# Altium PCB CoinCraftA1.PcbDoc (part 5 of 7) (continued)
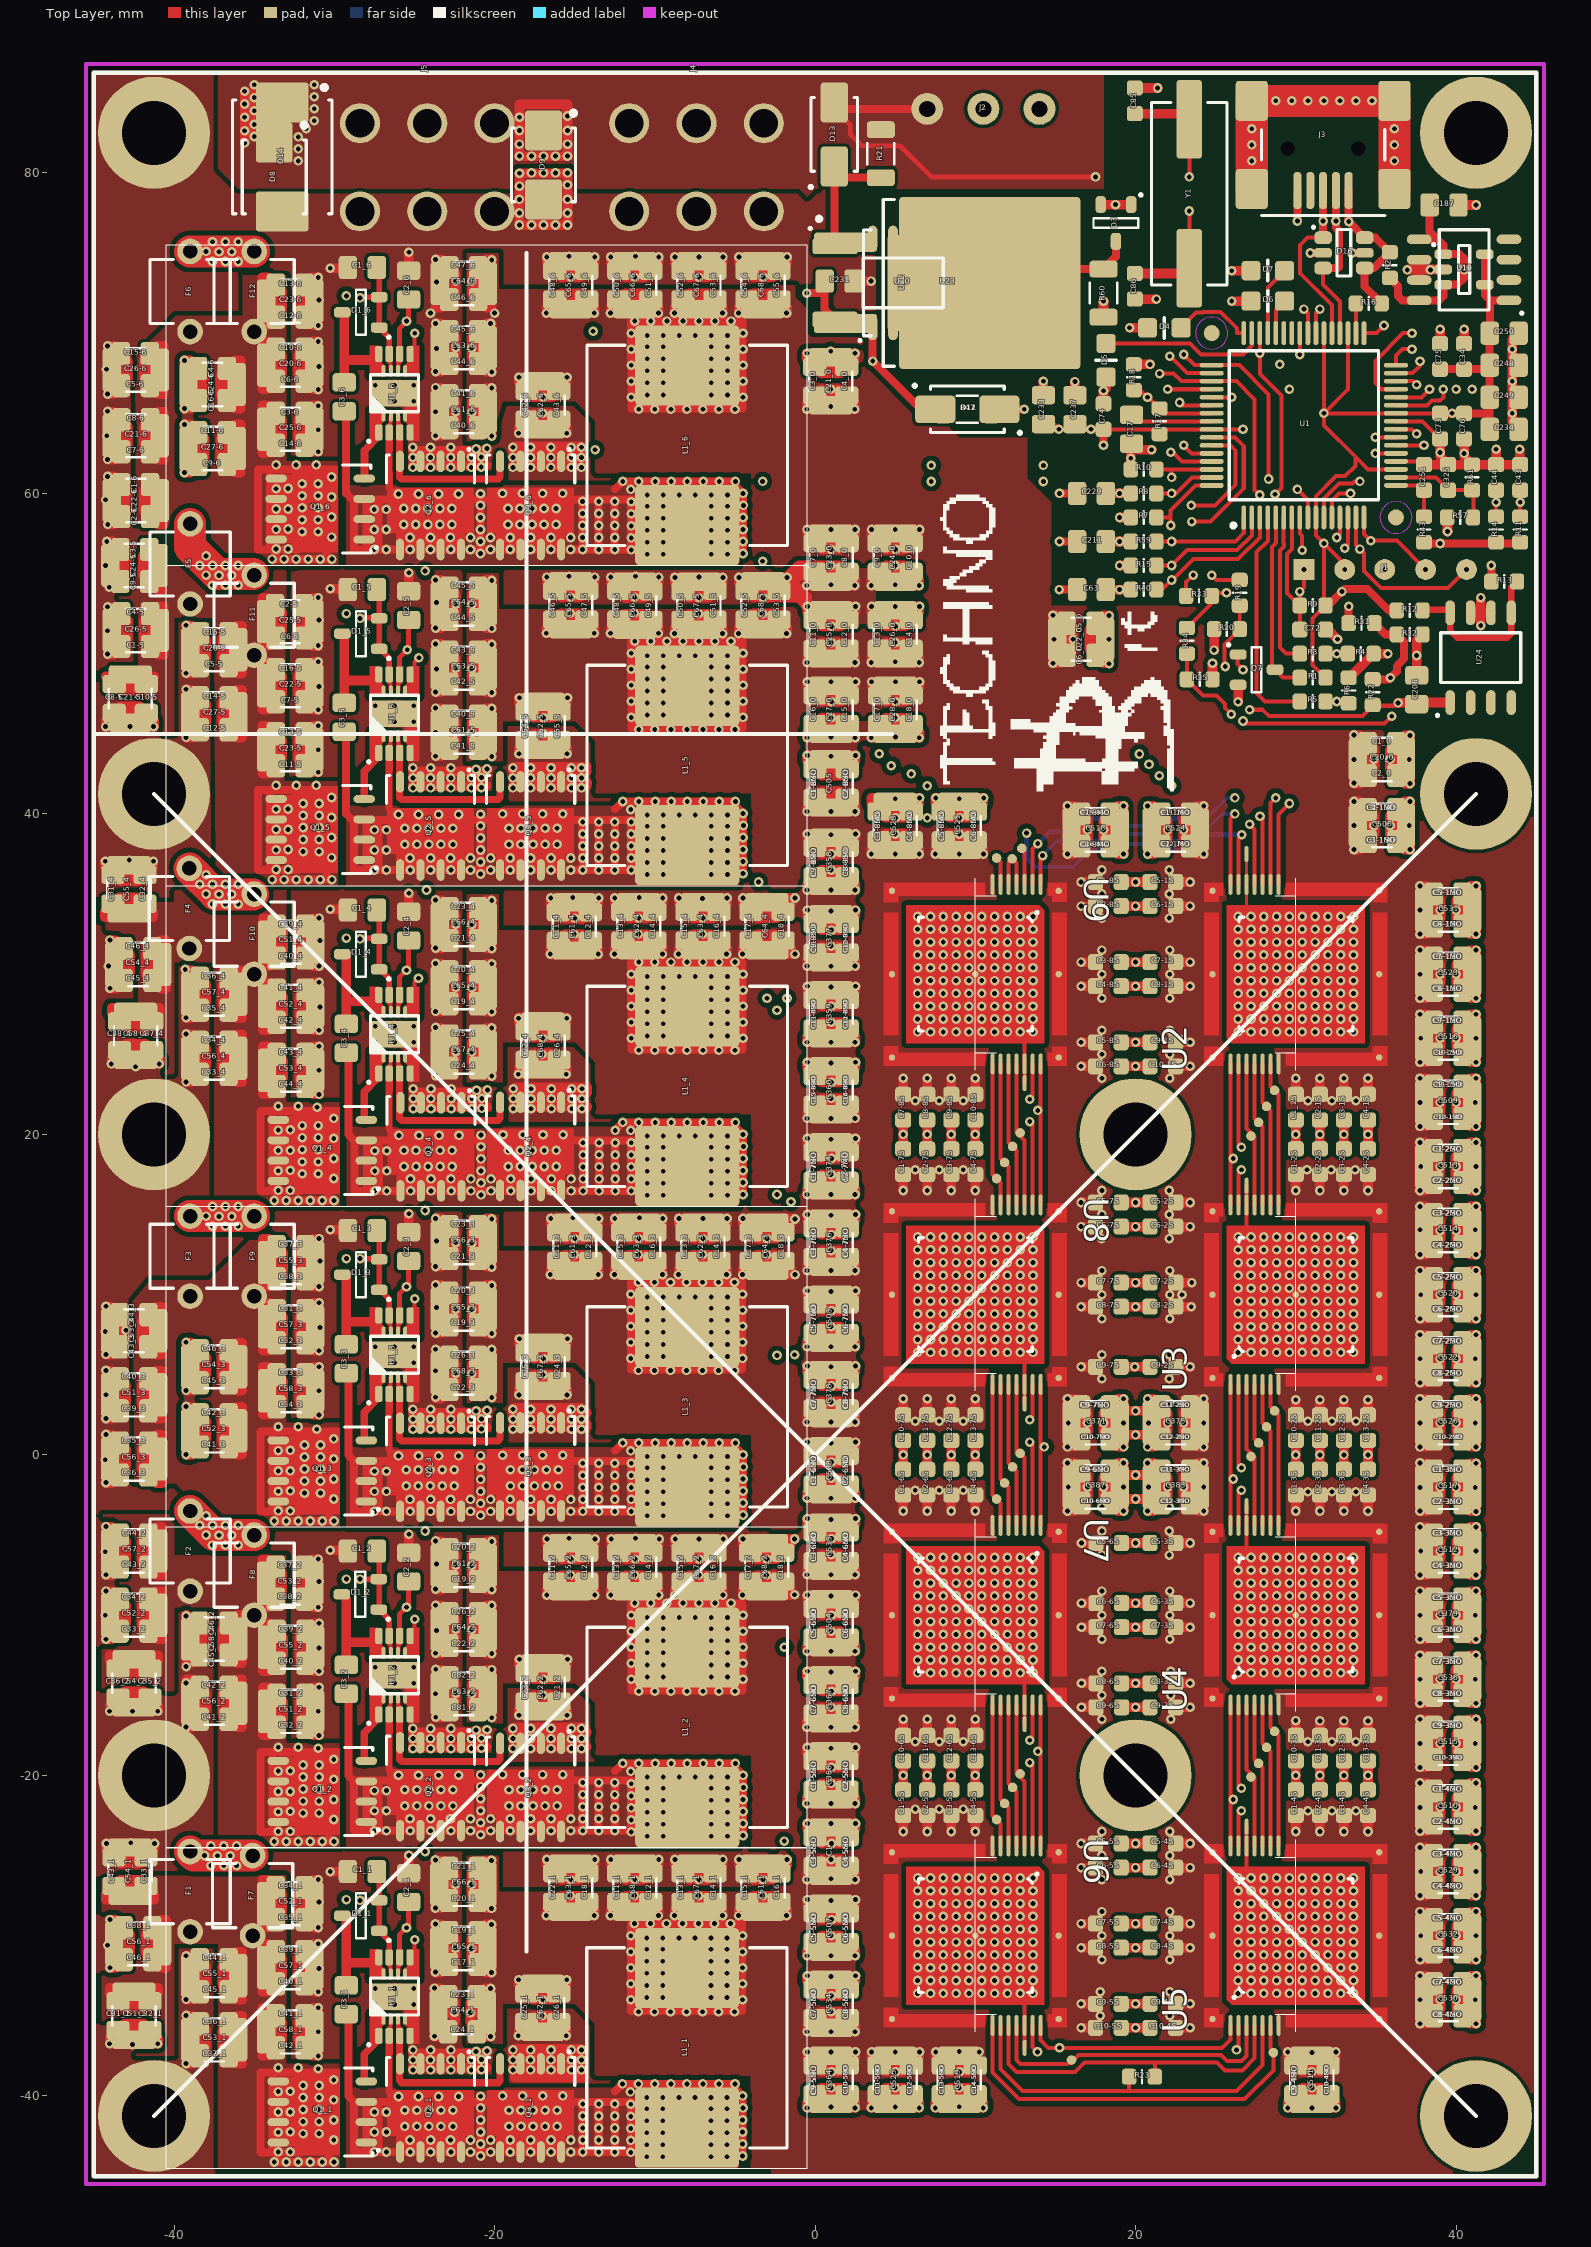
[diagram p0: Top Layer view]
## Nets (pads, with @x,y where several pads share a name; then routed paths per layer and width w, separated by ;. In a path a pad name is that pad's centre, name@x,y a point inside that pad or via, vN(x,y) a via of type N, cw(c..) or ccw(c..) an arc to the next point about the centre after c; other vN are vias at no path point) (continued)
  Top Layer w0.6: C24-5.2@-44.2,54.5 v1(-44.2,57) -43.85,57 -42.95,56.1 -42.95,55.5 ; C52_2.2@-44,-10 -43,-10 ; C57_2.2@-44,-6 -43,-6 ; C56_3.2@-44,-0.25 -43,-0.25 ; C51_3.2@-44,3.75 -43,3.75 ; C53_3.2@-44,7.75 v1@-43,7.75 ; C24-5.2@-43.95,55.5 -42.95,55.5 ; C26-5.2@-43.9,51.45 -42.9,51.45 ; C22-6.2@-43.9,59.554 -42.9,59.554 ; C21-6.2@-43.9,63.6 -42.9,63.6 ; C56_1.2@-43.75,-30.5 -42.75,-30.5 ; C54_4.2@-43.75,30.6 -42.75,30.6 ; C9-5.2@-42.95,54.9 -42.95,55.5 ; C55_4.2@-42.815,36.8 -42.815,35.8 ; C54_1.2@-42.75,-24.5 -42.75,-25.5 ; C21-5.2@-42.75,45.7 -42.75,46.7 ; C51_1.2@-42.5,-36.5 -42.5,-35.5 ; C54_2.2@-42.5,-15.75 -42.5,-14.75 ; C58_4.2@-42.4,24.65 -42.4,25.65 ; v1@-39.25,-9.987 -39.25,-12.987 -38.9,-12.987 -38,-12.087 -38,-11.487 ; C27-6.2@-39.1,62.8 -38.1,62.8 ; C24-6.2@-39.1,66.8 -38.1,66.8 ; C53_1.2@-39,-36.5 -38,-36.5 ; C55_1.2@-39,-32.5 -38,-32.5 ; C56_2.2@-39,-15.5 -38,-15.5 ; C58_2.2@-39,-11.487 -38,-11.487 ; C52_3.2@-39,1.5 -38,1.5 ; C54_3.2@-39,5.5 -38,5.5 ; C56_4.2@-39,24.75 -38,24.75 ; C57_4.2@-39,28.75 -38,28.75 ; C27-5.2@-39,46.25 -38,46.25 ; C20-5.2@-39,50.25 -38,50.25 ; C46_2.2@-38,-10.887 -38,-11.487 ; C58_1.2@-31.25,-36 -32.25,-36 ; C57_1.2@-31.25,-32 -32.25,-32 ; C52_1.2@-31.25,-28 -32.25,-28 ; C53_2.2@-31.25,-8 -32.25,-8 ; C23-5.2@-31.25,44 -32.25,44 ; C22-5.2@-31.25,48 -32.25,48 ; C25-5.2@-31.25,51.975 -32.25,51.975 ; C25-6.2@-31.25,64 -32.25,64 ; C20-6.2@-31.25,68 -32.25,68 ; C23-6.2@-31.25,72 -32.25,72 ; C51_2.2@-31.2,-16 -32.2,-16 ; C55_2.2@-31.2,-12 -32.2,-12 ; C58_3.2@-31.2,4 -32.2,4 ; C57_3.2@-31.2,8 -32.2,8 ; C55_3.2@-31.2,12 -32.2,12 ; C53_4.2@-31.2,24 -32.2,24 ; C52_4.2@-31.2,28 -32.2,28 ; C51_4.2@-31.2,32 -32.2,32 ; v1(-30.25,-26) C1_1.1@-29.15,-26 ; v1(-30.25,-5.95) C1_2.1@-29.15,-5.95 ; v1(-30.25,14.05) C1_3.1@-29.15,14.05 ; v1(-30.25,34.05) C1_4.1@-29.15,34.05 ; v1(-30.25,54.05) C1_5.1@-29.15,54.05 ; v1(-30.25,74.05) C1_6.1@-29.15,74.05 ; C2_1.2@-25.362,-26.1 -25.35,-26.088 v1(-25.35,-25) ; C2_2.2@-25.35,-6.038 v1(-25.35,-4.95) ; C2_3.2@-25.35,13.962 v1(-25.35,15.05) ; C2_4.2@-25.35,33.962 v1(-25.35,35.05) ; C2_5.2@-25.35,53.962 v1(-25.35,55.05) ; C2_6.2@-25.35,73.962 v1(-25.35,75.05) ; v1@-25.105,62.825 -25.105,62.662 -25.098,62.655 v1@-20.505,62.655 ; v1@-25.1,-37.175 -25.1,-37.338 -25.093,-37.345 v1@-20.5,-37.345 ; v1@-25.1,-17.125 -25.1,-17.288 -25.093,-17.295 v1@-20.5,-17.295 ; v1@-25.1,2.8 -25.1,2.637 -25.093,2.63 v1@-20.5,2.63 ; v1@-25.1,42.825 -25.1,42.662 -25.093,42.655 v1@-20.5,42.655 ; v1@-25.098,61.75 -20.505,61.75 ; v1@-25.093,-38.25 -20.5,-38.25 ; v1@-25.093,-18.2 -20.5,-18.2 ; v1@-25.093,1.725 -20.5,1.725 ; v1@-25.093,41.75 -20.5,41.75 ; v1@-25.075,22.8 -25.075,22.637 -25.068,22.63 v1@-20.475,22.63 ; v1@-25.068,21.725 -20.475,21.725 ; C64_1.2@-23.5,-34.8 v1@-22.5,-34.8 ; C65_1.2@-23.444,-30.8 v1@-22.444,-30.8 ; C66_1.2@-23.444,-26.8 v1@-22.444,-26.8 ; C61_2.2@-23.429,-6.9 v1@-22.429,-6.9 ; C68_3.2@-23.429,5 v1@-22.429,5 ; C65_3.2@-23.429,9.1 v1(-22.429,9.1) ; C66_3.2@-23.429,13.25 v1(-22.429,13.25) ; C67_4.2@-23.429,25.148 v1@-22.429,25.148 ; C65_4.2@-23.429,29.15 v1@-22.429,29.15 ; C66_4.2@-23.429,33.1 v1@-22.429,33.1 ; C64_5.2@-23.429,53.1 v1(-22.429,53.1) ; C61_6.2@-23.429,65.1 v1(-22.429,65.1) ; C63_6.2@-23.429,69.1 v1(-22.429,69.1) ; C64_6.2@-23.429,73.1 v1@-22.429,73.1 ; C64_2.2@-23.428,-10.9 v1@-22.428,-10.9 ; C61_5.2@-23.428,45.1 v1(-22.428,45.1) ; C63_5.2@-23.428,49.1 v1(-22.428,49.1) ; C63_2.2@-23.425,-14.9 v1@-22.425,-14.9 ; v1@-18.86,62.825 -18.86,62.662 -18.853,62.655 v1@-14.625,62.655 ; v1@-18.855,-17.125 -18.855,-17.288 -18.848,-17.295 -14.255,-17.295 ; v1@-18.855,2.8 -18.855,2.637 -18.848,2.63 -14.255,2.63 ; v1@-18.855,42.825 -18.855,42.662 -18.848,42.655 -14.255,42.655 ; v1@-18.855,-37.175 -18.855,-37.338 -18.848,-37.345 v1@-14.5,-37.345 ; v1@-18.853,61.75 -14.66,61.75 -14.46,61.95 -18.755,61.95 ; v1@-18.848,-38.25 v1@-14.75,-38.25 ; v1@-18.848,-18.2 -14.255,-18.2 ; v1@-18.848,1.725 -14.255,1.725 ; v1@-18.848,41.75 -14.255,41.75 ; v1@-18.83,22.8 -18.83,22.637 -18.823,22.63 -14.23,22.63 ; v1@-18.823,21.725 -14.23,21.725 ; v1@-18.755,62.95 v1@-14.58,62.95 ; -18.75,-38.85 -14.5,-38.85 ; -18.75,-38.05 -14.5,-38.05 ; v1@-18.75,-37.05 v1@-14.575,-37.05 ; -18.75,-18 -14.375,-18 ; v1@-18.75,-17 v1@-14.375,-17 ; -18.75,1.925 -14.255,1.925 ; v1@-18.75,2.925 v1@-14.575,2.925 ; -18.75,41.95 -14.225,41.95 ; v1@-18.75,42.95 -14.255,42.95 ; -18.725,21.925 -14.375,21.925 ; v1@-18.725,22.925 -14.23,22.925 ; v1@-18.448,78.375 v1(-18.448,79.975) -15.449,79.975 v1(-15.449,76.75) v1(-18.449,76.75) v1(-18.449,78.35) D9.2@-16.949,78.35 ; C62_1.2@-17,-36 v1@-17,-35 ; C68_4.2@-17,24.05 v1@-17,25.05 ; C62_6.2@-17,64 v1(-17,65) ; C62_5.2@-16.975,44 v1(-16.975,45) ; C62_2.2@-16.974,-16 v1@-16.974,-15 ; C67_3.2@-16.974,3.998 v1(-16.974,4.998) ; C63_1.2@-15.25,-25.5 v1(-15.25,-26.5) ; C65_2.2@-15.25,-5.5 v1@-15.251,-6.5 ; C65_5.2@-15.25,54.525 v1(-15.25,53.525) ; C65_6.2@-15.25,74.5 v1(-15.25,73.5) ; C61_4.2@-15.025,34.475 v1@-15.025,33.475 ; C61_3.2@-15,14.5 v1(-15,13.5) ; C68_1.2@-11.25,-25.5 v1(-11.25,-26.5) ; C66_2.2@-11.25,-5.5 v1@-11.25,-6.5 ; C66_5.2@-11.25,54.5 v1@-11.25,53.5 ; C66_6.2@-11.25,74.5 v1(-11.25,73.5) ; C63_3.2@-11,14.5 v1(-11,13.5) ; C62_4.2@-11,34.5 v1(-11,33.5) ; C67_1.2@-7.25,-25.5 v1(-7.25,-26.5) ; C67_2.2@-7.25,-5.5 v1@-7.25,-6.5 ; C67_5.2@-7.25,54.5 v1(-7.25,53.5) ; C67_6.2@-7.25,74.5 v1(-7.25,73.5) ; C62_3.2@-7,14.5 v1(-7,13.5) ; C63_4.2@-7,34.5 v1(-7,33.5) ; C61_1.2@-3.25,-25.5 v1(-3.25,-26.5) ; v1(-3.25,53.5) -1.05,53.5 v1@-0.5,52.95 ; C68_5.2@-3.25,54.525 v1@-3.25,53.525 ; C68_6.2@-3.25,74.5 v1(-3.25,73.5) ; C68_2.2@-3.025,-5.5 v1@-3.025,-6.5 ; C64_3.2@-3,14.5 v1(-3,13.5) ; C64_4.2@-3,34.5 -3,33.5 ; v1(-0.525,54.25) -0.85,53.925 -0.883,53.925 ; v1(0.975,55.5) C7_0.2@-0.35,55.5 ; C21_0.2@0.975,68.5 0.975,67.5 ; C366.2@0.999,-21.5 v1(0.999,-20.5) ; C367.2@0.999,-13.75 v1@0.999,-14.75 ; C364.2@1,-40.5 v1(1,-39.5) ; C534.2@1,-32.75 v1@1,-33.75 ; C507.2@1,-31 v1(1,-30) ; C1.2@1,-23.25 v1@1,-24.25 ; C504.2@1,-12 v1(1,-11) ; C533.2@1,-4.225 v1@1,-5.225 ; C508.2@1,-2.45 v1(1,-1.45) ; C378.2@1,5.3 v1@1,4.3 ; C503.2@1,7 v1(1,8) ; C376.2@1,14.75 v1@1,13.75 ; C374.2@1,16.5 v1(1,17.5) ; C360.2@1,24.25 v1@1,23.25 ; C359.2@1,26 v1(1,27) ; C377.2@1,33.75 v1@1,32.75 ; C358.2@1,35.5 v1(1,36.5) ; C505.2@1,43.4 1,42.4 ; C27_0.2@1,45 v1(1,46) ; C25_0.2@1,52.7 v1@1,51.7 ; C23_0.2@1,54.5 v1@1,55.5 ; C231.2@2.4,73.25 v1(3.499,73.25) ; C525.2@5,-40.5 v1(5,-39.5) ; C528.2@5,40.75 v1@5,39.75 ; C26_0.2@5,52.7 v1@5,51.7 ; C24_0.2@5,54.5 v1(5,55.5) ; C28_0.2@5.025,45 v1@5.025,46 ; C1-5S.2@5.5,-20.9 v1(5.5,-20) C10-6S.2@5.5,-19.1 ; C1-6S.2@5.5,-0.9 v1(5.5,0) C10-7S.2@5.5,0.9 ; C1-7S.2@5.5,19.1 v1(5.5,20) C7-8S.2@5.5,20.9 ; C2-5S.2@7,-20.9 v1(7,-20) C11-6S.2@7,-19.1 ; C2-6S.2@6.999,-0.9 v1(7,0) C11-7S.2@7,0.9 ; C2-7S.2@7,19.1 v1(7,20) C8-8S.2@7,20.9 ; C3-5S.2@8.5,-20.9 v1(8.5,-20) C12-6S.2@8.5,-19.1 ; C3-6S.2@8.5,-0.9 v1(8.5,0) C12-7S.2@8.5,0.9 ; C3-7S.2@8.5,19.1 v1(8.5,20) C9-8S.2@8.5,20.9 ; C519.2@9,-40.5 v1(8.999,-39.5) ; C521.2@9.001,40.75 v1@9.001,39.75 ; C4-5S.2@10,-20.9 C13-6S.2@10,-19.1 ; C4-6S.2@10,-0.9 C13-7S.2@10,0.9 ; C4-7S.2@10,19.1 C10-8S.2@10,20.9 ; C233.2@14.25,66.15 v1(14.25,67) ; C237.2@16.215,66.125 v1(16.215,66.975) ; D3.2@17.825,78.025 v1(18.75,78.025) D3.1@19.725,78.025 ; C74.2@18,65.6 v1(18,66.408) 18.155,66.563 D5.1@18.155,67.258 ; R60.1@18,71 v1(18,72) ; C22_0.2@18.1,50.9 17.1,50.9 ; C63.2@18.135,54 C63.2@18.15,54 v1(19,54) R40.1@19.7,54 ; C211.2@18.15,57 v1(19,57) R59.1@19.7,57 ; C229.2@18.15,60 v1(19,60) R8.2@19.7,60 ; C387.2@19,-2 v1(18,-2) ; C371.2@19,2 v1(18,2) ; C518.2@19,39 v1(18,39) ; v1(19,55.5) R15.1@19.7,55.5 ; v1(19,58.5) R7.2@19.7,58.5 ; C10-5S.2@19.1,-35.75 v1(20,-35.75) C10-4S.2@20.9,-35.75 ; C9-5S.2@19.1,-34.25 v1(20,-34.25) ; C8-5S.2@19.1,-30.75 v1(20,-30.75) C8-4S.2@20.9,-30.75 ; C7-5S.2@19.1,-29.25 v1(20,-29.25) ; C6-5S.2@19.1,-25.75 v1(20,-25.75) C6-4S.2@20.9,-25.75 ; C5-5S.2@19.1,-24.25 v1(20,-24.25) C5-4S.2@20.9,-24.25 ; C9-6S.2@19.1,-15.75 v1(20,-15.75) C9-3S.2@20.9,-15.75 ; C8-6S.2@19.1,-14.25 v1(20,-14.25) ; C7-6S.2@19.1,-10.75 v1(20,-10.75) C7-3S.2@20.9,-10.75 ; C6-6S.2@19.1,-9.25 v1(20,-9.25) ; C5-6S.2@19.1,-5.5 v1(20,-5.5) C5-3S.2@20.9,-5.5 ; C387.2@19.1,-2.75 v1(20,-2.75) C383.2@20.9,-2.75 ; C387.2@19.1,-1.25 v1(20,-1.25) C383.2@20.9,-1.25 ; C371.2@19.1,1.25 v1(20,1.25) C375.2@20.9,1.25 ; C371.2@19.1,2.75 v1(20,2.75) C375.2@20.9,2.75 ; C8-7S.2@19.1,9.25 v1(20,9.25) C8-2S.2@20.9,9.25 ; C7-7S.2@19.1,10.75 v1(20,10.75) ; C6-7S.2@19.1,14.25 v1(20,14.25) C6-2S.2@20.9,14.25 ; C5-7S.2@19.1,15.75 v1(20,15.75) ; C6-8S.2@19.1,24.25 v1(20,24.25) C10-1S.2@20.9,24.25 ; C5-8S.2@19.1,25.75 v1(20,25.75) ; C4-8S.2@19.1,29.25 v1(20,29.25) C8-1S.2@20.9,29.25 ; C3-8S.2@19.1,30.75 v1(20,30.75) ; C2-8S.2@19.1,34.25 v1(20,34.25) C6-1S.2@20.9,34.25 ; C1-8S.2@19.1,35.75 v1(20,35.75) C5-1S.2@20.9,35.75 ; C9-7S.2@19.1,5.5 v1(19.95,5.5) C9-2S.2@20.9,5.5 ; v1(19.625,70.335) D4.1@20.742,70.335 ; R10.2@19.7,61.5 v1(19.7,62.2) 19.7,63.05 C17.2@19.75,63.1 20.125,62.725 v1(21,62.725) ; R18.1@19.892,68.05 v1(20.9,68.05) ; C86.2@19.892,72.067 C86.2@19.95,72.126 v1(21.3,72.126) ; C85.2@19.95,85.3 v1(21.375,85.3) ; v1@20.1,-34.25 C9-4S.2@20.9,-34.25 ; v1@20.1,-29.25 C7-4S.2@20.9,-29.25 ; v1@20.1,-14.25 C8-3S.2@20.9,-14.25 ; v1@20.1,-9.25 C6-3S.2@20.9,-9.25 ; v1@20.1,10.75 C7-2S.2@20.9,10.75 ; v1@20.1,15.75 C5-2S.2@20.9,15.75 ; v1@20.1,25.75 C9-1S.2@20.9,25.75 ; v1@20.1,30.75 C7-1S.2@20.9,30.75 ; C383.2@21,-2 v1(22,-2) ; C375.2@21,2 v1(22,2) ; C524.2@21,39.001 v1(22,39.001) ; R35.2@24.8,48.4 v1(24.8,49.4) ; v1(24.9,50.219) R20.1@24.9,51.525 ; v1(26,72) D6.1@27.2,72 ; v1(26,73.9) D7.1@27.2,73.9 ; v1(26.4,47) Q7.2@26.4,48.05 ; C1-4S.2@30,-20.9 v1(30,-20) C10-3S.2@30,-19.1 ; C1-3S.2@30,-0.9 C10-2S.2@30,0.9 ; C1-2S.2@30,19.1 C1_1S.2@30,20.9 ; C511.2@31,-40.5 v1(31,-39.5) ; C2-4S.2@31.5,-20.9 v1(31.5,-20) C11-3S.2@31.5,-19.1 ; C2-3S.2@31.5,-0.9 v1(31.5,0) C11-2S.2@31.5,0.9 ; C2-2S.2@31.5,19.1 v1(31.5,20) C2-1S.2@31.5,20.9 ; C72.2@31.85,51.5 32,51.5 v1(32.6,50.9) ; C3-4S.2@33,-20.9 v1(33,-20) C12-3S.2@33,-19.1 ; C3-3S.2@33,-0.9 v1(33,0) C12-2S.2@33,0.9 ; C3-2S.2@33,19.1 v1(33,20) C3-1S.2@33,20.9 ; R6.1@33.3,48.5 33.35,48.5 R4.1@34.85,50 v1(35.746,50) ; C4-4S.2@34.5,-20.9 v1(34.5,-20) C13-3S.2@34.5,-19.1 ; C4-3S.2@34.5,-0.9 v1(34.5,0) C13-2S.2@34.5,0.9 ; C4-2S.2@34.5,19.1 v1(34.5,20) C4-1S.2@34.5,20.9 ; J3.9@35.9,78.75 J3.9@36.15,79 ; C506.2@36.876,39.275 v1(35.876,39.275) ; C20_0.2@36.878,43.4 v1(35.878,43.4) ; v1(36.95,73.95) 36.975,73.975 37.7,73.975 ; C206.1@37.538,48.65 v1(37.538,49.887) 37.538,50.838 R32.2@37.9,51.2 ; U19.7@37.7,73.315 37.7,73.975 ; U19.6@37.7,74.585 37.7,73.975 ; C251.2@38,61.8 C325.2@39.5,61.8 ; C75.2@38.999,69.35 39,69.351 v1(39,70.25) ; C73.2@39,63.4 v1(39,62.55) 39,62.3 C325.2@39.5,61.8 ; U18.2@39.2,73.975 37.7,73.975 ; C187.2@40.15,78 v1(41.25,78) ; C8-4MO.2@40.4,-35 C530.2@41.3,-35 ; C7-4MO.2@40.4,-33 C530.2@41.3,-33 ; C6-4MO.2@40.4,-31 C532.2@41.3,-31 ; C5-4MO.2@40.4,-29 C532.2@41.3,-29 ; C4-4MO.2@40.4,-27 C529.2@41.3,-27 ; C3-4MO.2@40.4,-25 C529.2@41.3,-25 ; C8-3MO.2@40.4,-15 C536.2@41.3,-15 ; C7-3MO.2@40.4,-13 C536.2@41.3,-13 ; C6-3MO.2@40.4,-11 C379.2@41.3,-11 ; C5-3MO.2@40.4,-9 C379.2@41.3,-9 ; C4-3MO.2@40.4,-7 C512.2@41.3,-7 ; C3-3MO.2@40.4,-5 C512.2@41.3,-5 ; C34.2@40.498,69.35 40.5,69.352 v1(40.5,70.25) ; C76.2@40.5,63.4 v1(40.5,62.5) 40.5,62.298 R61.1@40.998,61.8 ; U24.7@40.903,52.55 41.538,52.55 ; C536.2@40.966,-14 v1@39.966,-14 ; C513.2@40.966,18 v1@39.966,18 ; C530.2@41,-34 v1(40,-34) ; C532.2@41,-30 v1(40,-30) ; C529.2@41,-26 v1(40,-26) ; C510.2@41,-21.975 v1(40,-21.975) ; C515.2@41,-18 v1(40,-18) ; C379.2@41,-10 v1(40,-10) ; C512.2@41,-6 v1(40,-6) ; C517.2@41,-2.025 v1(40,-2.025) ; C526.2@41,2 v1(40,2) ; C522.2@41,6 v1(40,6) ; C520.2@41,10 v1(40,10) ; C514.2@41,14 v1(40,14) ; C509.2@41,22 v1(40,22) ; C516.2@41,26 v1(40,26) ; C523.2@41,30 v1(40,30) ; C531.2@41,34 v1(40,34) ; v1@41.538,51.85 41.538,52.55 ; v1(41.538,53.5) 41.538,52.55 ; U24.6@42.173,52.55 41.538,52.55 ; v1(42.5,62.75) C44.2@42.5,61.8 ; C234.2@43.9,64 43.5,64.4 v1(43.5,65) v1(43.5,67) v1(43.5,69) 43.5,69.6 C250.2@43.9,70 ; C43.2@43.961,61.839 v1(43.961,62.75) ; C43.2@44,61.8 C44.2@42.5,61.8 ; v1(-44.15,66.2) C5-6.2@-43.8,66.2 ; v1(-44.15,66.2) v1(-44.15,69.2) ; v1(-44.15,66.2) C5-6.2@-43.8,66.2 ; v1(-44.15,69.2) C15-6.2@-43.8,69.2 ; v1(-44.15,69.2) C15-6.2@-43.8,69.2 ; C5-6.2@-43.8,66.2 C5-6.2@-42.9,67.1 ; C5-6.2@-43.8,66.2 C5-6.2@-42.9,67.1 ; C15-6.2@-43.8,69.2 C15-6.2@-42.9,68.3 ; C15-6.2@-43.8,69.2 C15-6.2@-42.9,68.3 ; -43,-10 -43,-9.4 -43.9,-8.5 v1(-44.25,-8.5) v1(-44.25,-11.5) -43.9,-11.5 -43,-10.6 -43,-10 ; -43,-6 -43,-6.6 -43.9,-7.5 -44.25,-7.5 -44.25,-4.5 -43.9,-4.5 -43,-5.4 -43,-6 ; -43,-0.25 -43,-0.85 C36_3.2@-43.4,-1.25 -43.9,-1.75 -44.25,-1.75 -44.25,1.25 -43.9,1.25 -43,0.35 -43,-0.25 ; -43,3.75 -43,3.15 C39_3.2@-43.4,2.75 -43.9,2.25 -44.25,2.25 -44.25,5.25 -43.9,5.25 -43,4.35 -43,3.75 ; v1@-43,7.75 -43,7.15 -43.9,6.25 -44.25,6.25 -44.25,9.25 -43.9,9.25 -43,8.35 v1@-43,7.75 ; -42.9,51.45 -42.9,52.05 -43.75,52.9 -44.15,52.9 -44.15,49.95 -43.8,49.95 -42.9,50.85 -42.9,51.45 ; -42.9,59.554 -42.9,58.954 C2-6.2@-43.3,58.554 -43.8,58.054 -44.125,58.054 -44.15,58.079 v1(-44.15,61.054) -43.8,61.054 -42.9,60.154 -42.9,59.554 ; -42.9,63.6 -42.9,63 -43.8,62.1 -44.15,62.1 -44.15,65.1 -43.8,65.1 -42.9,64.2 -42.9,63.6 ; C5-6.2@-42.9,67.1 C15-6.2@-42.9,68.3 ; -42.815,35.8 -43.415,35.8 C31_4.2@-43.815,36.2 -44.315,36.7 -44.315,37.05 -41.315,37.05 -41.315,36.7 -42.215,35.8 -42.815,35.8 ; -42.75,-30.5 -42.75,-29.9 -43.65,-29 v1(-44,-29) v1(-44,-32) -43.65,-32 -42.75,-31.1 -42.75,-30.5 ; -42.75,-25.5 -43.35,-25.5 C43_1.2@-43.75,-25.1 -44.25,-24.6 -44.25,-24.25 -41.25,-24.25 -41.25,-24.6 C33_1.2@-41.75,-25.1 -42.15,-25.5 -42.75,-25.5 ; -42.75,30.6 -42.75,30 -43.65,29.1 -44,29.1 -44,32.1 -43.65,32.1 -42.75,31.2 -42.75,30.6 ; -42.75,46.7 -43.35,46.7 -44.25,45.8 -44.25,45.45 -41.25,45.45 -41.25,45.8 -42.15,46.7 -42.75,46.7 ; -42.5,-35.5 -41.9,-35.5 C32_1.2@-41.5,-35.9 -41,-36.4 -41,-36.75 -44,-36.75 -44,-36.4 -43.1,-35.5 -42.5,-35.5 ; -42.5,-14.75 -41.9,-14.75 -41,-15.65 -41,-16 -44,-16 -44,-15.65 -43.1,-14.75 -42.5,-14.75 ; -42.4,25.65 -41.8,25.65 C37_4.2@-41.4,25.25 -40.9,24.75 -40.9,24.4 -43.9,24.4 -43.9,24.75 -43,25.65 -42.4,25.65 ; -38.1,62.8 -38.1,62.2 C9-6.2@-38.5,61.8 -39,61.3 v1(-39.35,61.3) v1(-39.35,64.3) -39,64.3 C11-6.2@-38.5,63.8 -38.1,63.4 -38.1,62.8 ; -38.1,66.8 -38.1,66.2 C16-6.2@-38.5,65.8 -39,65.3 v1(-39.35,65.3) v1(-39.35,68.3) -39,68.3 -38.1,67.4 -38.1,66.8 ; -38,-36.5 -38,-37.1 C37_1.2@-38.4,-37.5 -38.9,-38 -39.25,-38 -39.25,-35 -38.9,-35 -38,-35.9 -38,-36.5 ; -38,-32.5 -38,-33.1 C45_1.2@-38.4,-33.5 -38.9,-34 -39.25,-34 v1(-39.25,-31.25) -38.65,-31.25 C44_1.2@-38.4,-31.5 -38,-31.9 -38,-32.5 ; -38,-15.5 -38,-16.1 -38.9,-17 -39.25,-17 -39.25,-14 -38.9,-14 -38,-14.9 -38,-15.5 ; -38,1.5 -38,0.9 C41_3.2@-38.4,0.5 -38.9,0 -39.25,0 -39.25,3 -38.9,3 C42_3.2@-38.4,2.5 -38,2.1 -38,1.5 ; -38,5.5 -38,4.9 -38.9,4 -39.25,4 -39.25,7 -38.9,7 -38,6.1 -38,5.5 ; -38,24.75 -38,24.15 C33_4.2@-38.4,23.75 -38.9,23.25 -39.25,23.25 -39.25,26.25 -38.9,26.25 C34_4.2@-38.4,25.75 -38,25.35 -38,24.75 ; -38,28.75 -38,28.15 -38.9,27.25 -39.25,27.25 -39.25,30.25 -38.9,30.25 -38,29.35 -38,28.75 ; -38,46.25 -38,46.85 -38.9,47.75 -39.25,47.75 -39.25,44.75 -38.9,44.75 -38,45.65 -38,46.25 ; -38,50.25 -38,50.85 -38.9,51.75 -39.25,51.75 -39.25,48.75 -38.9,48.75 -38,49.65 -38,50.25 ; -32.25,-36 -32.25,-36.6 -31.35,-37.5 v1(-31,-37.5) v1(-31,-34.5) -31.35,-34.5 -32.25,-35.4 -32.25,-36 ; -32.25,-32 -32.25,-32.6 -31.35,-33.5 v1(-31,-33.5) v1(-31,-30.5) -31.35,-30.5 -32.25,-31.4 -32.25,-32 ; -32.25,-28 -32.25,-28.6 -31.35,-29.5 v1(-31,-29.5) v1(-31,-26.5) -31.35,-26.5 -32.25,-27.4 -32.25,-28 ; -32.25,-8 -32.25,-8.6 -31.35,-9.5 v1(-31,-9.5) v1(-31,-6.5) -31.35,-6.5 -32.25,-7.4 -32.25,-8 ; -32.25,44 -32.25,44.6 C13-5.2@-31.85,45 -31.35,45.5 v1(-31,45.5) v1(-31,42.6) -31.45,42.6 -32.25,43.4 -32.25,44 ; -32.25,48 -32.25,48.6 C16-5.2@-31.85,49 -31.35,49.5 v1(-31,49.5) v1(-31,46.5) -31.35,46.5 -32.25,47.4 -32.25,48 ; -32.25,51.975 -32.25,52.575 -31.35,53.475 -31,53.475 -31,50.475 -31.35,50.475 -32.25,51.375 -32.25,51.975 ; -32.25,64 -32.25,63.4 -31.45,62.6 v1(-31,62.6) -31,65.5 -31.35,65.5 -32.25,64.6 -32.25,64 ; -32.25,68 -32.25,67.4 -31.35,66.5 -31,66.5 -31,69.5 -31.35,69.5 -32.25,68.6 -32.25,68 ; -32.25,72 -32.25,71.4 -31.35,70.5 -31,70.5 -31,73.5 -31.35,73.5 -32.25,72.6 -32.25,72 ; -32.2,-16 -32.2,-16.6 -31.3,-17.5 v1(-30.95,-17.5) v1(-30.95,-14.5) -31.3,-14.5 -32.2,-15.4 -32.2,-16 ; -32.2,-12 -32.2,-12.6 -31.3,-13.5 v1(-30.95,-13.5) v1(-30.95,-10.5) -31.3,-10.5 -32.2,-11.4 -32.2,-12 ; -32.2,4 -32.2,3.4 -31.3,2.5 v1(-30.95,2.5) v1(-30.95,5.5) -31.3,5.5 -32.2,4.6 -32.2,4 ; -32.2,8 -32.2,7.4 -31.3,6.5 v1(-30.95,6.5) v1(-30.95,9.5) -31.3,9.5 -32.2,8.6 -32.2,8 ; -32.2,12 -32.2,11.4 -31.3,10.5 v1(-30.95,10.5) v1(-30.95,13.5) -31.3,13.5 -32.2,12.6 -32.2,12 ; -32.2,24 -32.2,23.4 -31.3,22.5 v1(-30.95,22.5) v1(-30.95,25.5) -31.3,25.5 -32.2,24.6 -32.2,24 ; -32.2,28 -32.2,27.4 -31.3,26.5 v1(-30.95,26.5) v1(-30.95,29.5) -31.3,29.5 -32.2,28.6 -32.2,28 ; -32.2,32 -32.2,31.4 -31.3,30.5 v1(-30.95,30.5) v1(-30.95,33.5) -31.3,33.5 -32.2,32.6 -32.2,32 ; v1@-22.5,-34.8 -22.5,-34.2 -23.4,-33.3 -23.75,-33.3 -23.75,-36.3 -23.4,-36.3 -22.5,-35.4 v1@-22.5,-34.8 ; v1@-22.444,-30.8 -22.444,-30.2 -23.344,-29.3 -23.694,-29.3 -23.694,-32.3 -23.344,-32.3 -22.444,-31.4 v1@-22.444,-30.8 ; v1@-22.444,-26.8 -22.444,-26.2 -23.344,-25.3 -23.694,-25.3 -23.694,-28.3 -23.344,-28.3 -22.444,-27.4 v1@-22.444,-26.8 ; v1@-22.428,-10.9 -22.428,-11.5 C22_2.2@-22.828,-11.9 -23.328,-12.4 -23.678,-12.4 -23.678,-9.4 -23.328,-9.4 C26_2.2@-22.828,-9.9 -22.428,-10.3 v1@-22.428,-10.9 ; v1@-22.429,-6.9 -22.429,-7.5 -23.329,-8.4 -23.679,-8.4 -23.679,-5.4 -23.329,-5.4 -22.429,-6.3 v1@-22.429,-6.9 ; v1@-22.429,5 -22.429,5.6 -23.329,6.5 -23.679,6.5 -23.679,3.5 -23.329,3.5 -22.429,4.4 v1@-22.429,5 ; v1(-22.429,9.1) -22.429,9.7 -23.329,10.6 v1(-23.679,10.6) v1(-23.679,7.6) -23.329,7.6 -22.429,8.5 v1(-22.429,9.1) ; v1(-22.429,13.25) -22.429,13.85 -23.329,14.75 v1(-23.679,14.75) v1(-23.679,11.75) -23.329,11.75 -22.429,12.65 v1(-22.429,13.25) ; v1@-22.429,25.148 -22.429,24.548 -23.329,23.648 -23.679,23.648 -23.679,26.648 -23.329,26.648 -22.429,25.748 v1@-22.429,25.148 ; v1@-22.429,29.15 -22.429,28.55 C19_4.2@-22.829,28.15 -23.329,27.65 -23.679,27.65 -23.679,30.65 -23.329,30.65 -22.429,29.75 v1@-22.429,29.15 ; v1@-22.429,33.1 -22.429,32.5 -23.329,31.6 -23.679,31.6 -23.679,34.6 -23.329,34.6 -22.429,33.7 v1@-22.429,33.1 ; v1(-22.428,45.1) -22.428,45.7 -23.328,46.6 v1(-23.678,46.6) v1(-23.678,43.6) -23.328,43.6 -22.428,44.5 v1(-22.428,45.1) ; v1(-22.428,49.1) -22.428,49.7 -23.328,50.6 v1(-23.678,50.6) v1(-23.678,47.6) -23.328,47.6 -22.428,48.5 v1(-22.428,49.1) ; v1(-22.429,53.1) -22.429,53.7 -23.329,54.6 v1(-23.679,54.6) v1(-23.679,51.6) -23.329,51.6 -22.429,52.5 v1(-22.429,53.1) ; v1(-22.429,65.1) -22.429,64.5 C40_6.2@-22.829,64.1 -23.329,63.6 v1(-23.679,63.6) v1(-23.679,66.6) -23.329,66.6 -22.429,65.7 v1(-22.429,65.1) ; v1(-22.429,69.1) -22.429,68.5 C44_6.2@-22.829,68.1 -23.329,67.6 v1(-23.679,67.6) v1(-23.679,70.6) -23.329,70.6 -22.429,69.7 v1(-22.429,69.1) ; v1@-22.429,73.1 -22.429,72.5 -23.329,71.6 -23.679,71.6 v1(-23.679,74.6) -23.329,74.6 -22.429,73.7 v1@-22.429,73.1 ; v1@-22.425,-14.9 -22.425,-15.5 C81_2.2@-22.825,-15.9 -23.325,-16.4 -23.675,-16.4 -23.675,-13.4 -23.325,-13.4 C82_2.2@-22.825,-13.9 -22.425,-14.3 v1@-22.425,-14.9 ; v1@-17,-35 -16.4,-35 C26_1.2@-16,-35.4 -15.5,-35.9 -15.5,-36.25 -18.5,-36.25 -18.5,-35.9 C25_1.2@-18,-35.4 -17.6,-35 v1@-17,-35 ; v1@-17,25.05 -16.4,25.05 -15.5,24.15 -15.5,23.8 -18.5,23.8 -18.5,24.15 -17.6,25.05 v1@-17,25.05 ; v1(-17,65) -17.6,65 -18.5,64.1 v1(-18.5,63.75) v1(-15.5,63.75) -15.5,64.1 -16.4,65 v1(-17,65) ; v1(-16.975,45) -16.375,45 -15.475,44.1 v1(-15.475,43.75) v1(-18.475,43.75) -18.475,44.1 -17.575,45 v1(-16.975,45) ; v1@-16.974,-15 -16.374,-15 -15.474,-15.9 v1(-15.475,-16.25) -18.474,-16.25 -18.474,-15.9 -17.574,-15 v1@-16.974,-15 ; v1(-16.974,4.998) -16.374,4.998 -15.474,4.098 v1(-15.474,3.748) v1(-18.474,3.748) -18.474,4.098 -17.574,4.998 v1(-16.974,4.998) ; v1(-15.25,-26.5) -15.85,-26.5 C22_1.2@-16.25,-26.1 -16.75,-25.6 v1(-16.75,-25.25) v1(-13.75,-25.25) -13.75,-25.6 -14.65,-26.5 v1(-15.25,-26.5) ; v1@-15.251,-6.5 -14.651,-6.5 -13.751,-5.6 -13.751,-5.25 -16.751,-5.25 -16.751,-5.6 -15.851,-6.5 v1@-15.251,-6.5 ; v1(-15.25,53.525) -14.65,53.525 -13.75,54.425 v1(-13.75,54.775) v1(-16.75,54.775) -16.75,54.425 -15.85,53.525 v1(-15.25,53.525) ; v1(-15.25,73.5) -15.85,73.5 C48_6.2@-16.25,73.9 -16.75,74.4 v1(-16.75,74.75) v1(-13.75,74.75) -13.75,74.4 C49_6.2@-14.25,73.9 -14.65,73.5 v1(-15.25,73.5) ; v1@-15.025,33.475 -14.425,33.475 -13.525,34.375 -13.525,34.725 -16.525,34.725 -16.525,34.375 -15.625,33.475 v1@-15.025,33.475 ; v1(-15,13.5) -15.6,13.5 -16.5,14.4 v1(-16.5,14.75) v1(-13.5,14.75) -13.5,14.4 -14.4,13.5 v1(-15,13.5) ; v1(-11.25,-26.5) -11.85,-26.5 C11_1.2@-12.25,-26.1 -12.75,-25.6 v1(-12.75,-25.25) v1(-9.75,-25.25) -9.75,-25.6 C12_1.2@-10.25,-26.1 -10.65,-26.5 v1(-11.25,-26.5) ; v1@-11.25,-6.5 -10.65,-6.5 -9.75,-5.6 -9.75,-5.25 -12.75,-5.25 -12.75,-5.6 -11.85,-6.5 v1@-11.25,-6.5 ; v1@-11.25,53.5 -10.65,53.5 -9.75,54.4 -9.75,54.75 -12.75,54.75 -12.75,54.4 -11.85,53.5 v1@-11.25,53.5 ; v1(-11.25,73.5) -11.85,73.5 C50_6.2@-12.25,73.9 -12.75,74.4 v1(-12.75,74.75) v1(-9.75,74.75) -9.75,74.4 C51_6.2@-10.25,73.9 -10.65,73.5 v1(-11.25,73.5) ; v1(-11,13.5) -11.6,13.5 -12.5,14.4 v1(-12.5,14.75) v1(-9.5,14.75) -9.5,14.4 -10.4,13.5 v1(-11,13.5) ; v1(-11,33.5) -10.4,33.5 -9.5,34.4 v1(-9.5,34.75) v1(-12.5,34.75) -12.5,34.4 -11.6,33.5 v1(-11,33.5) ; v1(-7.25,-26.5) -6.65,-26.5 C14_1.2@-6.25,-26.1 -5.75,-25.6 v1(-5.75,-25.25) v1(-8.75,-25.25) -8.75,-25.6 C13_1.2@-8.25,-26.1 -7.85,-26.5 v1(-7.25,-26.5) ; v1@-7.25,-6.5 -6.65,-6.5 -5.75,-5.6 -5.75,-5.25 -8.75,-5.25 -8.75,-5.6 -7.85,-6.5 v1@-7.25,-6.5 ; v1(-7.25,53.5) -6.65,53.5 -5.75,54.4 v1(-5.75,54.75) v1(-8.75,54.75) -8.75,54.4 -7.85,53.5 v1(-7.25,53.5) ; v1(-7.25,73.5) -7.85,73.5 C52_6.2@-8.25,73.9 -8.75,74.4 v1(-8.75,74.75) v1(-5.75,74.75) -5.75,74.4 C53_6.2@-6.25,73.9 -6.65,73.5 v1(-7.25,73.5) ; v1(-7,13.5) -7.6,13.5 C13_3.2@-8,13.9 -8.5,14.4 v1(-8.5,14.75) v1(-5.5,14.75) -5.5,14.4 -6.4,13.5 v1(-7,13.5) ; v1(-7,33.5) -6.4,33.5 -5.5,34.4 v1(-5.5,34.75) v1(-8.5,34.75) -8.5,34.4 -7.6,33.5 v1(-7,33.5) ; v1(-3.25,-26.5) -2.65,-26.5 -1.75,-25.6 v1(-1.75,-25.25) v1(-4.75,-25.25) -4.75,-25.6 -3.85,-26.5 v1(-3.25,-26.5) ; v1@-3.25,53.525 -3.85,53.525 -4.75,54.425 -4.75,54.775 v1@-1.75,54.775 ; v1@-3.25,53.525 -2.65,53.525 C53_5.2@-2.25,53.925 ; v1(-3.25,73.5) -3.85,73.5 -4.75,74.4 v1(-4.75,74.75) v1(-1.75,74.75) -1.75,74.4 -2.65,73.5 v1(-3.25,73.5) ; v1@-3.025,-6.5 -2.425,-6.5 -1.525,-5.6 -1.525,-5.25 -4.525,-5.25 -4.525,-5.6 -3.625,-6.5 v1@-3.025,-6.5 ; v1(-3,13.5) -3.6,13.5 C17_3.2@-4,13.9 -4.5,14.4 v1(-4.5,14.75) -1.5,14.75 -1.5,14.4 -2.4,13.5 v1(-3,13.5) ; -3,33.5 -2.4,33.5 -1.5,34.4 -1.5,34.75 v1(-4.5,34.75) -4.5,34.4 -3.6,33.5 -3,33.5 ; C53_5.2@-2.25,53.925 -1.75,54.425 v1@-1.75,54.775 ; C53_5.2@-2.25,53.925 -0.883,53.925 ; v1@-1.75,54.775 -1.025,55.5 C7_0.2@-0.35,55.5 ; -0.883,53.925 -0.5,53.542 v1@-0.5,52.95 ; -0.883,53.925 -1.404,54.446 C7_0.2@-0.35,55.5 ; v1@-0.5,52.95 2.5,52.95 2.5,52.6 1.6,51.7 v1@1,51.7 ; v1@-0.5,52.95 -0.5,52.6 0.4,51.7 v1@1,51.7 ; 0.975,67.5 1.575,67.5 2.475,68.4 2.475,68.75 -0.525,68.75 -0.525,68.4 0.375,67.5 0.975,67.5 ; v1(0.999,-20.5) 0.399,-20.5 -0.501,-21.4 v1(-0.501,-21.75) v1(2.499,-21.75) 2.499,-21.4 1.599,-20.5 v1(0.999,-20.5) ; v1@0.999,-14.75 0.399,-14.75 C7-6MO.2@-0.001,-14.35 -0.501,-13.85 -0.501,-13.5 2.499,-13.5 2.499,-13.85 C8-6MO.2@1.999,-14.35 1.599,-14.75 v1@0.999,-14.75 ; v1(1,-39.5) 0.4,-39.5 -0.5,-40.4 v1(-0.5,-40.75) v1(2.5,-40.75) 2.5,-40.4 1.6,-39.5 v1(1,-39.5) ; v1@1,-33.75 0.4,-33.75 C7-5MO.2@0,-33.35 -0.5,-32.85 -0.5,-32.5 2.5,-32.5 2.5,-32.85 1.6,-33.75 v1@1,-33.75 ; v1(1,-30) 0.4,-30 -0.5,-30.9 v1(-0.5,-31.25) v1(2.5,-31.25) 2.5,-30.9 1.6,-30 v1(1,-30) ; v1@1,-24.25 0.4,-24.25 -0.5,-23.35 -0.5,-23 2.5,-23 2.5,-23.35 1.6,-24.25 v1@1,-24.25 ; v1(1,-11) 0.4,-11 -0.5,-11.9 v1(-0.5,-12.25) v1(2.5,-12.25) 2.5,-11.9 1.6,-11 v1(1,-11) ; v1@1,-5.225 0.4,-5.225 -0.5,-4.325 -0.5,-3.975 2.5,-3.975 2.5,-4.325 1.6,-5.225 v1@1,-5.225 ; v1(1,-1.45) 0.4,-1.45 -0.5,-2.35 v1(-0.5,-2.7) v1(2.5,-2.7) 2.5,-2.35 1.6,-1.45 v1(1,-1.45) ; v1@1,4.3 0.4,4.3 -0.5,5.2 -0.5,5.55 2.5,5.55 2.5,5.2 1.6,4.3 v1@1,4.3 ; v1(1,8) 0.4,8 -0.5,7.1 v1(-0.5,6.75) v1(2.5,6.75) 2.5,7.1 1.6,8 v1(1,8) ; v1@1,13.75 0.4,13.75 C3-7MO.2@0,14.15 -0.5,14.65 -0.5,15 2.5,15 2.5,14.65 1.6,13.75 v1@1,13.75 ; v1(1,17.5) 0.4,17.5 -0.5,16.6 v1(-0.5,16.25) v1(2.5,16.25) 2.5,16.6 1.6,17.5 v1(1,17.5) ; v1@1,23.25 0.4,23.25 -0.5,24.15 -0.5,24.5 2.5,24.5 2.5,24.15 1.6,23.25 v1@1,23.25 ; v1(1,27) 0.4,27 -0.5,26.1 v1(-0.5,25.75) v1(2.5,25.75) 2.5,26.1 1.6,27 v1(1,27) ; v1@1,32.75 0.4,32.75 C11-8MO.2@0,33.15 -0.5,33.65 -0.5,34 2.5,34 2.5,33.65 C12-8MO.2@2,33.15 1.6,32.75 v1@1,32.75 ; v1(1,36.5) 0.4,36.5 -0.5,35.6 v1(-0.5,35.25) v1(2.5,35.25) 2.5,35.6 1.6,36.5 v1(1,36.5) ; 1,42.4 1.6,42.4 C2-8MO.2@2,42.8 2.5,43.3 2.5,43.65 -0.5,43.65 -0.5,43.3 0.4,42.4 1,42.4 ; v1(1,46) 1.6,46 2.5,45.1 v1(2.5,44.75) v1(-0.5,44.75) -0.5,45.1 0.4,46 v1(1,46) ; v1@1,55.5 0.4,55.5 -0.5,54.6 -0.5,54.25 2.5,54.25 2.5,54.6 C8_0.2@2,55.1 1.6,55.5 v1@1,55.5 ; v1(5,-39.5) 4.4,-39.5 3.5,-40.4 v1(3.5,-40.75) v1(6.5,-40.75) 6.5,-40.4 5.6,-39.5 v1(5,-39.5) ; v1@5,39.75 5.6,39.75 6.5,40.65 6.5,41 3.5,41 3.5,40.65 4.4,39.75 v1@5,39.75 ; v1@5,51.7 5.6,51.7 6.5,52.6 6.5,52.95 3.5,52.95 3.5,52.6 4.4,51.7 v1@5,51.7 ; v1(5,55.5) 5.6,55.5 6.5,54.6 v1(6.5,54.25) v1(3.5,54.25) 3.5,54.6 4.4,55.5 v1(5,55.5) ; v1@5.025,46 5.625,46 6.525,45.1 6.525,44.75 3.525,44.75 3.525,45.1 4.425,46 v1@5.025,46 ; v1(8.999,-39.5) 8.4,-39.5 7.499,-40.4 v1(7.499,-40.75) v1(10.499,-40.75) 10.499,-40.4 9.599,-39.5 v1(8.999,-39.5) ; v1@9.001,39.75 9.6,39.75 10.501,40.65 10.501,41 7.501,41 7.501,40.65 8.401,39.75 v1@9.001,39.75 ; 17.1,50.9 17.1,50.3 18,49.4 18.35,49.4 18.35,52.4 18,52.4 17.1,51.5 17.1,50.9 ; v1(18,-2) 18,-2.6 18.9,-3.5 v1(19.25,-3.5) v1(19.25,-0.5) 18.9,-0.5 18,-1.4 v1(18,-2) ; v1(18,2) 18,1.4 18.9,0.5 v1(19.25,0.5) v1(19.25,3.5) 18.9,3.5 18,2.6 v1(18,2) ; v1(18,39) 18,39.6 C7-8MO.2@18.4,40 18.9,40.5 v1(19.25,40.5) v1(19.25,37.5) 18.9,37.5 18,38.4 v1(18,39) ; v1(22,-2) 22,-2.6 C12-3MO.2@21.6,-3 21.1,-3.5 v1(20.75,-3.5) v1(20.75,-0.5) 21.1,-0.5 22,-1.4 v1(22,-2) ; v1(22,2) 22,1.4 21.1,0.5 v1(20.75,0.5) v1(20.75,3.5) 21.1,3.5 22,2.6 v1(22,2) ; v1(22,39.001) 22,38.401 C2-1MO.2@21.6,38.001 21.1,37.501 v1(20.75,37.501) v1(20.75,40.501) 21.1,40.501 22,39.601 v1(22,39.001) ; v1(31,-39.5) 30.4,-39.5 29.5,-40.4 v1(29.5,-40.75) 32.5,-40.75 32.5,-40.4 31.6,-39.5 v1(31,-39.5) ; v1(35.876,39.275) 35.876,39.875 36.776,40.775 v1(37.126,40.775) v1(37.126,37.775) 36.776,37.775 35.876,38.675 v1(35.876,39.275) ; v1(35.878,43.4) 35.878,42.8 36.778,41.9 v1(37.128,41.9) v1(37.128,44.9) 36.778,44.9 35.878,44 v1(35.878,43.4) ; C325.2@39.5,61.8 R61.1@40.998,61.8 ; v1@39.966,-14 39.966,-14.6 40.866,-15.5 41.216,-15.5 41.216,-12.5 40.866,-12.5 39.966,-13.4 v1@39.966,-14 ; v1@39.966,18 39.966,17.4 40.866,16.5 41.216,16.5 41.216,19.5 40.866,19.5 39.966,18.6 v1@39.966,18 ; v1(40,-34) 40,-34.6 40.9,-35.5 v1(41.25,-35.5) v1(41.25,-32.5) 40.9,-32.5 40,-33.4 v1(40,-34) ; v1(40,-30) 40,-30.6 40.9,-31.5 v1(41.25,-31.5) v1(41.25,-28.5) 40.9,-28.5 40,-29.4 v1(40,-30) ; v1(40,-26) 40,-26.6 40.9,-27.5 v1(41.25,-27.5) v1(41.25,-24.5) 40.9,-24.5 40,-25.4 v1(40,-26) ; v1(40,-21.975) 40,-22.575 40.9,-23.475 v1(41.25,-23.475) v1(41.25,-20.475) 40.9,-20.475 40,-21.375 v1(40,-21.975) ; v1(40,-18) 40,-18.6 40.9,-19.5 v1(41.25,-19.5) v1(41.25,-16.5) 40.9,-16.5 40,-17.4 v1(40,-18) ; v1(40,-10) 40,-10.6 40.9,-11.5 v1(41.25,-11.5) v1(41.25,-8.5) 40.9,-8.5 40,-9.4 v1(40,-10) ; v1(40,-6) 40,-6.6 40.9,-7.5 v1(41.25,-7.5) v1(41.25,-4.5) 40.9,-4.5 40,-5.4 v1(40,-6) ; v1(40,-2.025) 40,-2.625 40.9,-3.525 v1(41.25,-3.525) v1(41.25,-0.525) 40.9,-0.525 40,-1.425 v1(40,-2.025) ; v1(40,2) 40,1.4 40.9,0.5 v1(41.25,0.5) v1(41.25,3.5) 40.9,3.5 40,2.6 v1(40,2) ; v1(40,6) 40,5.4 40.9,4.5 v1(41.25,4.5) v1(41.25,7.5) 40.9,7.5 40,6.6 v1(40,6) ; v1(40,10) 40,9.4 40.9,8.5 v1(41.25,8.5) v1(41.25,11.5) 40.9,11.5 40,10.6 v1(40,10) ; v1(40,14) 40,13.4 40.9,12.5 v1(41.25,12.5) v1(41.25,15.5) 40.9,15.5 40,14.6 v1(40,14) ; v1(40,22) 40,21.4 40.9,20.5 v1(41.25,20.5) v1(41.25,23.5) 40.9,23.5 40,22.6 v1(40,22) ; v1(40,26) 40,25.4 40.9,24.5 v1(41.25,24.5) v1(41.25,27.5) 40.9,27.5 40,26.6 v1(40,26) ; v1(40,30) 40,29.4 40.9,28.5 v1(41.25,28.5) v1(41.25,31.5) 40.9,31.5 40,30.6 v1(40,30) ; v1(40,34) 40,33.4 40.9,32.5 v1(41.25,32.5) v1(41.25,35.5) 40.9,35.5 40,34.6 v1(40,34) ; R61.1@40.998,61.8 C44.2@42.5,61.8 ; C26-6.2@-43.9,67.7 -42.9,67.7 C26-6.2@-43.9,67.7
  Top Layer w2: J3.6@27.25,79 J3.7@27.25,84.5 J3.8@36.15,84.5 J3.9@36.15,79